# EAGLE board Mk4 Final Panel 6up 3x2 (EAGLE 9.0.1), part 17 of 18
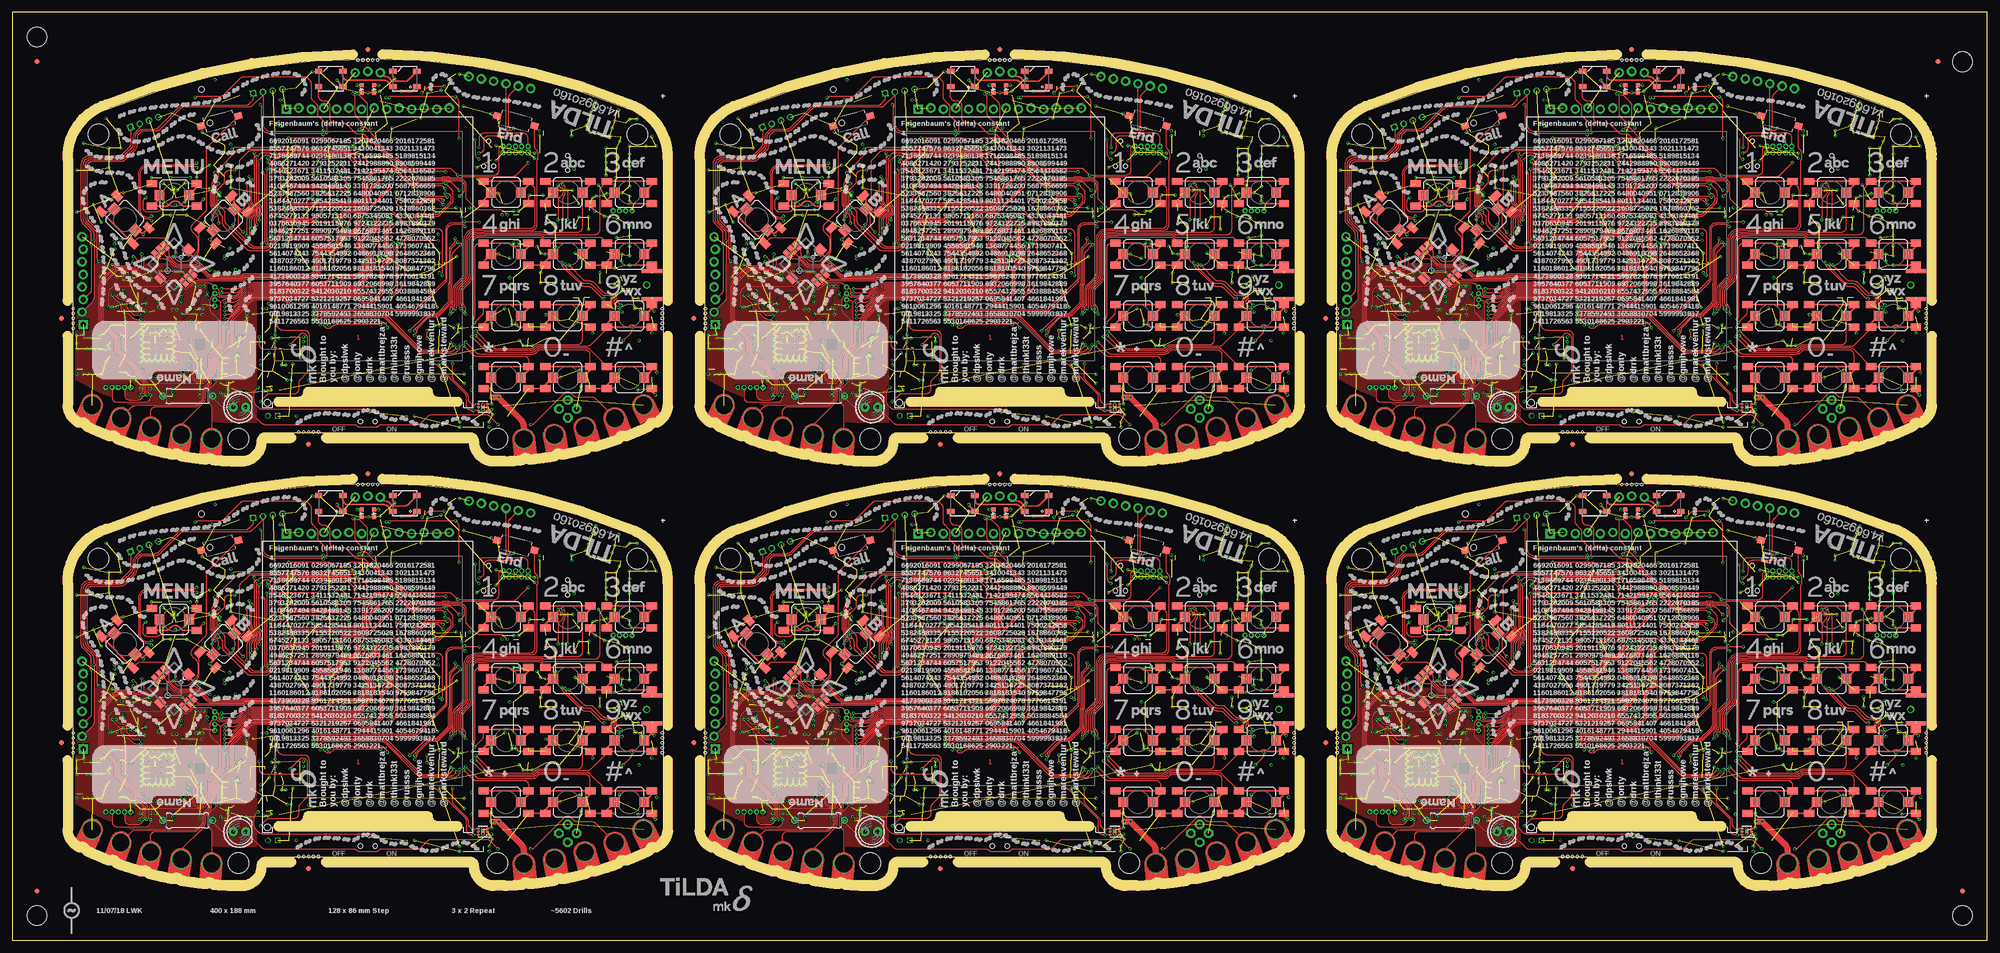
[diagram p0: board, top side]
## Tracks (layer width: path | path; a pad name or v marks a point on that pad's centre or on a via) (continued)
USB_D_P3 (continued)
  Bottom 0.25: 217.5,171.65 219.1,171.65 219.2,171.55 219.4,171.55 arc-90 221.2,169.75 221.2,168 arc-90 219.5,166.3 217.5,166.3 arc90 216.05,164.85 216.05,163 arc-90 214.65,161.6 206.8,161.6 arc90 205.4,160.2 IC56.94 | U10.D+ 210.2,172.4 210,172.2 210,171.69 arc45 210.29,170.99 arc45 211,170.7 212.9,170.7 arc45 213.61,170.99 213.82,171.21 arc-45 214.53,171.5 IC59.2
USB_D_P4
  Bottom 0.2: IC77.2 345.35,85.5 345.5,85.65
  Bottom 0.25: 345.5,85.65 347.1,85.65 347.2,85.55 347.4,85.55 arc-90 349.2,83.75 349.2,82 arc-90 347.5,80.3 345.5,80.3 arc90 344.05,78.85 344.05,77 arc-90 342.65,75.6 334.8,75.6 arc90 333.4,74.2 IC74.94 | U13.D+ 338.2,86.4 338,86.2 338,85.69 arc45 338.29,84.99 arc45 339,84.7 340.9,84.7 arc45 341.61,84.99 341.82,85.21 arc-45 342.53,85.5 IC77.2
USB_D_P6
  Bottom 0.2: IC113.2 345.35,171.5 345.5,171.65
  Bottom 0.25: 345.5,171.65 347.1,171.65 347.2,171.55 347.4,171.55 arc-90 349.2,169.75 349.2,168 arc-90 347.5,166.3 345.5,166.3 arc90 344.05,164.85 344.05,163 arc-90 342.65,161.6 334.8,161.6 arc90 333.4,160.2 IC110.94 | U19.D+ 338.2,172.4 338,172.2 338,171.69 arc45 338.29,170.99 arc45 339,170.7 340.9,170.7 arc45 341.61,170.99 341.82,171.21 arc-45 342.53,171.5 IC113.2
USB_ID
  Bottom 0.15: TP6.TP 90.46,87.54 arc-45 90.75,86.84 R8.2
USB_ID1
  Bottom 0.15: TP25.TP 218.46,87.54 arc-45 218.75,86.84 R92.2
USB_ID2
  Bottom 0.15: TP44.TP 90.46,173.54 arc-45 90.75,172.84 R170.2
USB_ID3
  Bottom 0.15: TP63.TP 218.46,173.54 arc-45 218.75,172.84 R248.2
USB_ID4
  Bottom 0.15: TP82.TP 346.46,87.54 arc-45 346.75,86.84 R326.2
USB_ID6
  Bottom 0.15: TP120.TP 346.46,173.54 arc-45 346.75,172.84 R482.2
USB_ID_R  (via drill 0.3)
  Top 0.15: v83,85.7 84.01,86.71 arc-45 84.71,87 v87.5,87
  Bottom 0.15: v87.5,87 87.65,87 88.65,86 IC7.4 89.42,86.5 R8.1 | U1.ID 82.85,85.85 v83,85.7
USB_ID_R1  (via drill 0.3)
  Top 0.15: v211,85.7 212.01,86.71 arc-45 212.71,87 v215.5,87
  Bottom 0.15: v215.5,87 215.65,87 216.65,86 IC23.4 217.43,86.5 R92.1 | U2.ID 210.85,85.85 v211,85.7
USB_ID_R2  (via drill 0.3)
  Top 0.15: v83,171.7 84.01,172.71 arc-45 84.71,173 v87.5,173
  Bottom 0.15: v87.5,173 87.65,173 88.65,172 IC41.4 89.42,172.5 R170.1 | U7.ID 82.85,171.85 v83,171.7
USB_ID_R3  (via drill 0.3)
  Top 0.15: v211,171.7 212.01,172.71 arc-45 212.71,173 v215.5,173
  Bottom 0.15: v215.5,173 215.65,173 216.65,172 IC59.4 217.43,172.5 R248.1 | U10.ID 210.85,171.85 v211,171.7
USB_ID_R4  (via drill 0.3)
  Top 0.15: v339,85.7 340.01,86.71 arc-45 340.71,87 v343.5,87
  Bottom 0.15: v343.5,87 343.65,87 344.65,86 IC77.4 345.43,86.5 R326.1 | U13.ID 338.85,85.85 v339,85.7
USB_ID_R6  (via drill 0.3)
  Top 0.15: v339,171.7 340.01,172.71 arc-45 340.71,173 v343.5,173
  Bottom 0.15: v343.5,173 343.65,173 344.65,172 IC113.4 345.43,172.5 R482.1 | U19.ID 338.85,171.85 v339,171.7
USB_SHIELD
  Bottom 0.3: U1.SHIELD@5 86.1,87.91 arc45 86.39,88.61 U1.SHIELD@2 | U1.SHIELD@2 83.84,89.72 U1.SHIELD@1 81.59,89.91 81.41,90.09 U1.SHIELD@0 80.96,90.28 U1.SHIELD@3 79.12,89.57 U1.SHIELD | R7.1 88.62,90.5 C20.2 87.04,90.38 U1.SHIELD@2
USB_SHIELD1
  Bottom 0.3: U2.SHIELD@5 214.1,87.91 arc45 214.39,88.61 U2.SHIELD@2 | U2.SHIELD@2 211.84,89.72 U2.SHIELD@1 209.59,89.91 209.41,90.09 U2.SHIELD@0 208.96,90.28 U2.SHIELD@3 207.12,89.57 U2.SHIELD | R91.1 216.62,90.5 C130.2 215.04,90.38 U2.SHIELD@2
USB_SHIELD2
  Bottom 0.3: U7.SHIELD@5 86.1,173.91 arc45 86.39,174.61 U7.SHIELD@2 | U7.SHIELD@2 83.84,175.72 U7.SHIELD@1 81.59,175.91 81.41,176.09 U7.SHIELD@0 80.96,176.28 U7.SHIELD@3 79.12,175.57 U7.SHIELD | R169.1 88.62,176.5 C238.2 87.04,176.38 U7.SHIELD@2
USB_SHIELD3
  Bottom 0.3: U10.SHIELD@5 214.1,173.91 arc45 214.39,174.61 U10.SHIELD@2 | U10.SHIELD@2 211.84,175.72 U10.SHIELD@1 209.59,175.91 209.41,176.09 U10.SHIELD@0 208.96,176.28 U10.SHIELD@3 207.12,175.57 U10.SHIELD | R247.1 216.62,176.5 C346.2 215.04,176.38 U10.SHIELD@2
USB_SHIELD4
  Bottom 0.3: U13.SHIELD@5 342.1,87.91 arc45 342.39,88.61 U13.SHIELD@2 | U13.SHIELD@2 339.84,89.72 U13.SHIELD@1 337.59,89.91 337.41,90.09 U13.SHIELD@0 336.96,90.28 U13.SHIELD@3 335.12,89.57 U13.SHIELD | R325.1 344.62,90.5 C454.2 343.04,90.38 U13.SHIELD@2
USB_SHIELD6
  Bottom 0.3: U19.SHIELD@5 342.1,173.91 arc45 342.39,174.61 U19.SHIELD@2 | U19.SHIELD@2 339.84,175.72 U19.SHIELD@1 337.59,175.91 337.41,176.09 U19.SHIELD@0 336.96,176.28 U19.SHIELD@3 335.12,175.57 U19.SHIELD | R481.1 344.62,176.5 C670.2 343.04,176.38 U19.SHIELD@2
V_UNREG  (via drill 0.3)  (10 unrouted)
  Top 0.2: v60,27.45 v60,27.44 60.08,27.52 60.08,36.6 arc90 59.08,37.6 54.75,37.6 arc-90 53.75,38.6 53.75,40.74 arc45 53.46,41.44 v51.95,42.95
  Top 1.25: 103.62,17.38 103.62,18.05 arc45 103.03,19.47 v98.5,24 v97.25,24
  Top 1.5: PCB.VBATT 103.62,17.38
  3V3@2 1.25: v55.7,27.5 v56.5,27.5 56.55,27.45 v60,27.45 85,27.45 87.25,25.2 91.55,25.2 92.75,24 v97.25,24 v98.5,24
  Bottom 0.2: 53.5,33.45 IC8.15 53.5,33 | IC8.16 53,33 | R18.2 arc90 53.05,43.2 52.55,43.2 arc45 v51.95,42.95
  Bottom 0.4: TP18.TP v56.5,27.5
  pour Bottom (no thermals): 47.5,31 47.5,30 arc90 48,29.5 49,29.5 arc-90 49.5,29 49.5,27.5 53,27.5 53.35,27.15 arc45 53.71,27 56.5,27 arc90 57,27.5 arc90 56.5,28 54.12,28 arc-48 53.75,28.17 53.13,28.86 arc-42 53,29.19 53,29.29 arc-45 53.15,29.65 53.4,29.9 arc45 53.55,30.26 53.55,33.45 53.5,33.5 53,33.5 52.7,33.2 52.7,30.45 52.15,29.9 arc-45 51.79,29.75 50.21,29.75 arc-45 49.85,29.9 49.5,30.25 49.5,31
V_UNREG1  (via drill 0.3)  (10 unrouted)
  Top 0.2: v188,27.45 v188,27.44 188.07,27.52 188.07,36.6 arc90 187.07,37.6 182.75,37.6 arc-90 181.75,38.6 181.75,40.74 arc45 181.46,41.44 v179.95,42.95
  Top 1.25: 231.62,17.38 231.62,18.05 arc45 231.03,19.47 v226.5,24 v225.25,24
  Top 1.5: PCB1.VBATT 231.62,17.38
  3V3@2 1.25: v183.7,27.5 v184.5,27.5 184.55,27.45 v188,27.45 213,27.45 215.25,25.2 219.55,25.2 220.75,24 v225.25,24 v226.5,24
  Bottom 0.2: 181.5,33.45 IC24.15 181.5,33 | IC24.16 181,33 | R100.2 arc90 181.05,43.2 180.55,43.2 arc45 v179.95,42.95
  Bottom 0.4: TP37.TP v184.5,27.5
  pour Bottom (no thermals): 175.5,31 175.5,30 arc90 176,29.5 177,29.5 arc-90 177.5,29 177.5,27.5 181,27.5 181.35,27.15 arc45 181.71,27 184.5,27 arc90 185,27.5 arc90 184.5,28 182.12,28 arc-48 181.75,28.17 181.13,28.86 arc-42 181,29.19 181,29.29 arc-45 181.15,29.65 181.4,29.9 arc45 181.55,30.26 181.55,33.45 181.5,33.5 181,33.5 180.7,33.2 180.7,30.45 180.15,29.9 arc-45 179.79,29.75 178.21,29.75 arc-45 177.85,29.9 177.5,30.25 177.5,31
V_UNREG2  (via drill 0.3)  (10 unrouted)
  Top 0.2: v60,113.45 v60,113.44 60.08,113.52 60.08,122.6 arc90 59.08,123.6 54.75,123.6 arc-90 53.75,124.6 53.75,126.74 arc45 53.46,127.44 v51.95,128.95
  Top 1.25: 103.62,103.38 103.62,104.06 arc45 103.03,105.47 v98.5,110 v97.25,110
  Top 1.5: PCB2.VBATT 103.62,103.38
  3V3@2 1.25: v55.7,113.5 v56.5,113.5 56.55,113.45 v60,113.45 85,113.45 87.25,111.2 91.55,111.2 92.75,110 v97.25,110 v98.5,110
  Bottom 0.2: 53.5,119.45 IC42.15 53.5,119 | IC42.16 53,119 | R178.2 arc90 53.05,129.2 52.55,129.2 arc45 v51.95,128.95
  Bottom 0.4: TP56.TP v56.5,113.5
  pour Bottom (no thermals): 47.5,117 47.5,116 arc90 48,115.5 49,115.5 arc-90 49.5,115 49.5,113.5 53,113.5 53.35,113.15 arc45 53.71,113 56.5,113 arc90 57,113.5 arc90 56.5,114 54.12,114 arc-48 53.75,114.17 53.13,114.86 arc-42 53,115.19 53,115.29 arc-45 53.15,115.65 53.4,115.9 arc45 53.55,116.26 53.55,119.45 53.5,119.5 53,119.5 52.7,119.2 52.7,116.45 52.15,115.9 arc-45 51.79,115.75 50.21,115.75 arc-45 49.85,115.9 49.5,116.25 49.5,117
V_UNREG3  (via drill 0.3)  (10 unrouted)
  Top 0.2: v188,113.45 v188,113.44 188.07,113.52 188.07,122.6 arc90 187.07,123.6 182.75,123.6 arc-90 181.75,124.6 181.75,126.74 arc45 181.46,127.44 v179.95,128.95
  Top 1.25: 231.62,103.38 231.62,104.06 arc45 231.03,105.47 v226.5,110 v225.25,110
  Top 1.5: PCB3.VBATT 231.62,103.38
  3V3@2 1.25: v183.7,113.5 v184.5,113.5 184.55,113.45 v188,113.45 213,113.45 215.25,111.2 219.55,111.2 220.75,110 v225.25,110 v226.5,110
  Bottom 0.2: 181.5,119.45 IC60.15 181.5,119 | IC60.16 181,119 | R256.2 arc90 181.05,129.2 180.55,129.2 arc45 v179.95,128.95
  Bottom 0.4: TP75.TP v184.5,113.5
  pour Bottom (no thermals): 175.5,117 175.5,116 arc90 176,115.5 177,115.5 arc-90 177.5,115 177.5,113.5 181,113.5 181.35,113.15 arc45 181.71,113 184.5,113 arc90 185,113.5 arc90 184.5,114 182.12,114 arc-48 181.75,114.17 181.13,114.86 arc-42 181,115.19 181,115.29 arc-45 181.15,115.65 181.4,115.9 arc45 181.55,116.26 181.55,119.45 181.5,119.5 181,119.5 180.7,119.2 180.7,116.45 180.15,115.9 arc-45 179.79,115.75 178.21,115.75 arc-45 177.85,115.9 177.5,116.25 177.5,117
V_UNREG4  (via drill 0.3)  (10 unrouted)
  Top 0.2: v316,27.45 v316,27.44 316.07,27.52 316.07,36.6 arc90 315.07,37.6 310.75,37.6 arc-90 309.75,38.6 309.75,40.74 arc45 309.46,41.44 v307.95,42.95
  Top 1.25: 359.62,17.38 359.62,18.05 arc45 359.03,19.47 v354.5,24 v353.25,24
  Top 1.5: PCB4.VBATT 359.62,17.38
  3V3@2 1.25: v311.7,27.5 v312.5,27.5 312.55,27.45 v316,27.45 341,27.45 343.25,25.2 347.55,25.2 348.75,24 v353.25,24 v354.5,24
  Bottom 0.2: 309.5,33.45 IC78.15 309.5,33 | IC78.16 309,33 | R334.2 arc90 309.05,43.2 308.55,43.2 arc45 v307.95,42.95
  Bottom 0.4: TP94.TP v312.5,27.5
  pour Bottom (no thermals): 303.5,31 303.5,30 arc90 304,29.5 305,29.5 arc-90 305.5,29 305.5,27.5 309,27.5 309.35,27.15 arc45 309.71,27 312.5,27 arc90 313,27.5 arc90 312.5,28 310.12,28 arc-48 309.75,28.17 309.13,28.86 arc-42 309,29.19 309,29.29 arc-45 309.15,29.65 309.4,29.9 arc45 309.55,30.26 309.55,33.45 309.5,33.5 309,33.5 308.7,33.2 308.7,30.45 308.15,29.9 arc-45 307.79,29.75 306.21,29.75 arc-45 305.85,29.9 305.5,30.25 305.5,31
V_UNREG6  (via drill 0.3)  (10 unrouted)
  Top 0.2: v316,113.45 v316,113.44 316.07,113.52 316.07,122.6 arc90 315.07,123.6 310.75,123.6 arc-90 309.75,124.6 309.75,126.74 arc45 309.46,127.44 v307.95,128.95
  Top 1.25: 359.62,103.38 359.62,104.06 arc45 359.03,105.47 v354.5,110 v353.25,110
  Top 1.5: PCB6.VBATT 359.62,103.38
  3V3@2 1.25: v311.7,113.5 v312.5,113.5 312.55,113.45 v316,113.45 341,113.45 343.25,111.2 347.55,111.2 348.75,110 v353.25,110 v354.5,110
  Bottom 0.2: 309.5,119.45 IC114.15 309.5,119 | IC114.16 309,119 | R490.2 arc90 309.05,129.2 308.55,129.2 arc45 v307.95,128.95
  Bottom 0.4: TP132.TP v312.5,113.5
  pour Bottom (no thermals): 303.5,117 303.5,116 arc90 304,115.5 305,115.5 arc-90 305.5,115 305.5,113.5 309,113.5 309.35,113.15 arc45 309.71,113 312.5,113 arc90 313,113.5 arc90 312.5,114 310.12,114 arc-48 309.75,114.17 309.13,114.86 arc-42 309,115.19 309,115.29 arc-45 309.15,115.65 309.4,115.9 arc45 309.55,116.26 309.55,119.45 309.5,119.5 309,119.5 308.7,119.2 308.7,116.45 308.15,115.9 arc-45 307.79,115.75 306.21,115.75 arc-45 305.85,115.9 305.5,116.25 305.5,117
VBAT  (via drill 0.3)  (5 unrouted)
  Bottom 0.15: IC8.14 54,33.35 | 54.8,32 C35.1 | IC8.13 54.5,33.35
  Bottom 0.4: TP14.TP 55.64,29.36 arc-45 55.35,30.06 v55.35,30.5
  Bottom 1: J5.2 93.15,28.8 C34.1 | C34.1 91.6,28.65 v91.5,28.75 | C34.1 v93,30
  other vias: 54.6,30.5
  pour Bottom (no thermals): 54,33.55 54,30.2 54.2,30 55.5,30 55.75,30.3 55.75,30.75 55.25,31.25 55.25,32.9 54.6,33.55
  pour 3V3@2 (no thermals): 92.5,28 55.6,28 54.35,29.25 54.35,30.55 54.6,30.8 55.4,30.8 56.1,30 91,30 91.5,30.5 93,30.5 93.5,30 93.5,29
VBAT1  (via drill 0.3)  (5 unrouted)
  Bottom 0.15: IC24.14 182,33.35 | 182.8,32 C147.1 | IC24.13 182.5,33.35
  Bottom 0.4: TP33.TP 183.64,29.36 arc-45 183.35,30.06 v183.35,30.5
  Bottom 1: J12.2 221.15,28.8 C146.1 | C146.1 219.6,28.65 v219.5,28.75 | C146.1 v221,30
  other vias: 182.6,30.5
  pour Bottom (no thermals): 182,33.55 182,30.2 182.2,30 183.5,30 183.75,30.3 183.75,30.75 183.25,31.25 183.25,32.9 182.6,33.55
  pour 3V3@2 (no thermals): 220.5,28 183.6,28 182.35,29.25 182.35,30.55 182.6,30.8 183.4,30.8 184.1,30 219,30 219.5,30.5 221,30.5 221.5,30 221.5,29
VBAT2  (via drill 0.3)  (5 unrouted)
  Bottom 0.15: IC42.14 54,119.35 | 54.8,118 C255.1 | IC42.13 54.5,119.35
  Bottom 0.4: TP52.TP 55.64,115.36 arc-45 55.35,116.06 v55.35,116.5
  Bottom 1: J22.2 93.15,114.8 C254.1 | C254.1 91.6,114.65 v91.5,114.75 | C254.1 v93,116
  other vias: 54.6,116.5
  pour Bottom (no thermals): 54,119.55 54,116.2 54.2,116 55.5,116 55.75,116.3 55.75,116.75 55.25,117.25 55.25,118.9 54.6,119.55
  pour 3V3@2 (no thermals): 92.5,114 55.6,114 54.35,115.25 54.35,116.55 54.6,116.8 55.4,116.8 56.1,116 91,116 91.5,116.5 93,116.5 93.5,116 93.5,115
VBAT3  (via drill 0.3)  (5 unrouted)
  Bottom 0.15: IC60.14 182,119.35 | 182.8,118 C363.1 | IC60.13 182.5,119.35
  Bottom 0.4: TP71.TP 183.64,115.36 arc-45 183.35,116.06 v183.35,116.5
  Bottom 1: J32.2 221.15,114.8 C362.1 | C362.1 219.6,114.65 v219.5,114.75 | C362.1 v221,116
  other vias: 182.6,116.5
  pour Bottom (no thermals): 182,119.55 182,116.2 182.2,116 183.5,116 183.75,116.3 183.75,116.75 183.25,117.25 183.25,118.9 182.6,119.55
  pour 3V3@2 (no thermals): 220.5,114 183.6,114 182.35,115.25 182.35,116.55 182.6,116.8 183.4,116.8 184.1,116 219,116 219.5,116.5 221,116.5 221.5,116 221.5,115
VBAT4  (via drill 0.3)  (5 unrouted)
  Bottom 0.15: IC78.14 310,33.35 | 310.8,32 C471.1 | IC78.13 310.5,33.35
  Bottom 0.4: TP90.TP 311.64,29.36 arc-45 311.35,30.06 v311.35,30.5
  Bottom 1: J42.2 349.15,28.8 C470.1 | C470.1 347.6,28.65 v347.5,28.75 | C470.1 v349,30
  other vias: 310.6,30.5
  pour Bottom (no thermals): 310,33.55 310,30.2 310.2,30 311.5,30 311.75,30.3 311.75,30.75 311.25,31.25 311.25,32.9 310.6,33.55
  pour 3V3@2 (no thermals): 348.5,28 311.6,28 310.35,29.25 310.35,30.55 310.6,30.8 311.4,30.8 312.1,30 347,30 347.5,30.5 349,30.5 349.5,30 349.5,29
VBAT6  (via drill 0.3)  (5 unrouted)
  Bottom 0.15: IC114.14 310,119.35 | 310.8,118 C687.1 | IC114.13 310.5,119.35
  Bottom 0.4: TP128.TP 311.64,115.36 arc-45 311.35,116.06 v311.35,116.5
  Bottom 1: J62.2 349.15,114.8 C686.1 | C686.1 347.6,114.65 v347.5,114.75 | C686.1 v349,116
  other vias: 310.6,116.5
  pour Bottom (no thermals): 310,119.55 310,116.2 310.2,116 311.5,116 311.75,116.3 311.75,116.75 311.25,117.25 311.25,118.9 310.6,119.55
  pour 3V3@2 (no thermals): 348.5,114 311.6,114 310.35,115.25 310.35,116.55 310.6,116.8 311.4,116.8 312.1,116 347,116 347.5,116.5 349,116.5 349.5,116 349.5,115
VBATT  (via drill 0.3)  (19 unrouted)
  Top 0.15: v42.2,25 arc45 42.68,24.8 46.3,24.8 v46.5,25
  Top 0.5: LED2.1 81.34,86.29 arc-45 80.64,86 v78.75,86 | LED1.1 65.75,88.1 v65.75,88.25
  3V3@2 0.5: 71.25,88.25 76.5,88.25 v78.75,86
  3V3@2 1: JP2.2 72,89 71.25,88.25 v65.75,88.25 47.5,88.25 44.5,85.25 44.5,78 43,76.5 v43,52.65 v43,52.05 | v47.25,25 v46.5,25 46.5,30.41 47.2,31.11 47.2,32.55 44.62,35.12 44.62,36.62 45.5,37.5 v45.5,49.3 45.5,49.5 v45.15,49.85
  Bottom 0.25: IC9.1 42.96,25.35 arc45 42.26,25.06 v42.2,25
  Bottom 0.4: TP15.TP v52.4,25.5
  Bottom 0.5: C1.1 66.62,88.25 v65.75,88.25
  Bottom 1: v43,52.65 v43,52.05 43,52 v45.15,49.85 45.5,49.5 v45.5,49.3
  other vias: 51.75,25.25 51,25.25 105.25,34.5 102.75,35.5 104.25,34.5 103.5,34.5
  pour Bottom (no thermals): 51.35,26.4 52.8,26.4 52.8,25.05 arc-90 52.3,24.55 46.65,24.55 46.65,25.5 50.85,25.5 arc90 51.35,26
  pour Bottom (no thermals): 105.09,34.25 103.25,34.25 arc-90 102.25,35.25 102.25,36 arc-90 103.25,37 113,37 arc90 114,38 114,41.25 arc-90 115,42.25 115.25,42.25 115.5,42.5 115.5,45 117,45 117,42.8 arc-90 116,41.8 115.75,41.8 arc90 114.75,40.8 114.75,36 arc-90 113.75,35 106.66,35 arc45 105.96,34.71 105.79,34.54 arc-45
  pour 3V3@2 (no thermals): 104,37.5 106.5,37.5 107.5,36.5 107.5,35 107,34.5 97.5,34.5 95.5,32.5 54,32.5 52.8,31.4 52.8,25.6 52.3,25 51,25 50.75,25.25 50.75,32.5 52.25,34 94,34 96.5,36.5 103,36.5
  pour Bottom (no thermals): 44.2,25.9 44.2,25.8 44.75,25.8 45.1,25.45 45.1,25.05 arc90 45.6,24.55 46.8,24.55 46.8,25.5 46.15,25.5 45.8,25.85 45,25.85 44.95,25.9
VBATT1  (via drill 0.3)  (19 unrouted)
  Top 0.15: v170.2,25 arc45 170.68,24.8 174.3,24.8 v174.5,25
  Top 0.5: LED8.1 209.34,86.29 arc-45 208.64,86 v206.75,86 | LED7.1 193.75,88.1 v193.75,88.25
  3V3@2 0.5: 199.25,88.25 204.5,88.25 v206.75,86
  3V3@2 1: JP11.2 200,89 199.25,88.25 v193.75,88.25 175.5,88.25 172.5,85.25 172.5,78 171,76.5 v171,52.65 v171,52.05 | v175.25,25 v174.5,25 174.5,30.41 175.2,31.11 175.2,32.55 172.62,35.12 172.62,36.62 173.5,37.5 v173.5,49.3 173.5,49.5 v173.15,49.85
  Bottom 0.25: IC33.1 170.96,25.35 arc45 170.26,25.06 v170.2,25
  Bottom 0.4: TP34.TP v180.4,25.5
  Bottom 0.5: C111.1 194.62,88.25 v193.75,88.25
  Bottom 1: v171,52.65 v171,52.05 171,52 v173.15,49.85 173.5,49.5 v173.5,49.3
  other vias: 179.75,25.25 179,25.25 233.25,34.5 230.75,35.5 232.25,34.5 231.5,34.5
  pour Bottom (no thermals): 179.35,26.4 180.8,26.4 180.8,25.05 arc-90 180.3,24.55 174.65,24.55 174.65,25.5 178.85,25.5 arc90 179.35,26
  pour Bottom (no thermals): 233.09,34.25 231.25,34.25 arc-90 230.25,35.25 230.25,36 arc-90 231.25,37 241,37 arc90 242,38 242,41.25 arc-90 243,42.25 243.25,42.25 243.5,42.5 243.5,45 245,45 245,42.8 arc-90 244,41.8 243.75,41.8 arc90 242.75,40.8 242.75,36 arc-90 241.75,35 234.66,35 arc45 233.96,34.71 233.79,34.54 arc-45
  pour 3V3@2 (no thermals): 232,37.5 234.5,37.5 235.5,36.5 235.5,35 235,34.5 225.5,34.5 223.5,32.5 182,32.5 180.8,31.4 180.8,25.6 180.3,25 179,25 178.75,25.25 178.75,32.5 180.25,34 222,34 224.5,36.5 231,36.5
  pour Bottom (no thermals): 172.2,25.9 172.2,25.8 172.75,25.8 173.1,25.45 173.1,25.05 arc90 173.6,24.55 174.8,24.55 174.8,25.5 174.15,25.5 173.8,25.85 173,25.85 172.95,25.9
VBATT2  (via drill 0.3)  (19 unrouted)
  Top 0.15: v42.2,111 arc45 42.68,110.8 46.3,110.8 v46.5,111
  Top 0.5: LED14.1 81.34,172.29 arc-45 80.64,172 v78.75,172 | LED13.1 65.75,174.1 v65.75,174.25
  3V3@2 0.5: 71.25,174.25 76.5,174.25 v78.75,172
  3V3@2 1: JP20.2 72,175 71.25,174.25 v65.75,174.25 47.5,174.25 44.5,171.25 44.5,164 43,162.5 v43,138.65 v43,138.05 | v47.25,111 v46.5,111 46.5,116.41 47.2,117.11 47.2,118.55 44.62,121.12 44.62,122.62 45.5,123.5 v45.5,135.3 45.5,135.5 v45.15,135.85
  Bottom 0.25: IC51.1 42.96,111.35 arc45 42.26,111.06 v42.2,111
  Bottom 0.4: TP53.TP v52.4,111.5
  Bottom 0.5: C219.1 66.62,174.25 v65.75,174.25
  Bottom 1: v43,138.65 v43,138.05 43,138 v45.15,135.85 45.5,135.5 v45.5,135.3
  other vias: 51.75,111.25 51,111.25 105.25,120.5 102.75,121.5 104.25,120.5 103.5,120.5
  pour Bottom (no thermals): 51.35,112.4 52.8,112.4 52.8,111.05 arc-90 52.3,110.55 46.65,110.55 46.65,111.5 50.85,111.5 arc90 51.35,112
  pour Bottom (no thermals): 105.09,120.25 103.25,120.25 arc-90 102.25,121.25 102.25,122 arc-90 103.25,123 113,123 arc90 114,124 114,127.25 arc-90 115,128.25 115.25,128.25 115.5,128.5 115.5,131 117,131 117,128.8 arc-90 116,127.8 115.75,127.8 arc90 114.75,126.8 114.75,122 arc-90 113.75,121 106.66,121 arc45 105.96,120.71 105.79,120.54 arc-45
  pour 3V3@2 (no thermals): 104,123.5 106.5,123.5 107.5,122.5 107.5,121 107,120.5 97.5,120.5 95.5,118.5 54,118.5 52.8,117.4 52.8,111.6 52.3,111 51,111 50.75,111.25 50.75,118.5 52.25,120 94,120 96.5,122.5 103,122.5
  pour Bottom (no thermals): 44.2,111.9 44.2,111.8 44.75,111.8 45.1,111.45 45.1,111.05 arc90 45.6,110.55 46.8,110.55 46.8,111.5 46.15,111.5 45.8,111.85 45,111.85 44.95,111.9
VBATT3  (via drill 0.3)  (19 unrouted)
  Top 0.15: v170.2,111 arc45 170.68,110.8 174.3,110.8 v174.5,111
  Top 0.5: LED20.1 209.34,172.29 arc-45 208.64,172 v206.75,172 | LED19.1 193.75,174.1 v193.75,174.25
  3V3@2 0.5: 199.25,174.25 204.5,174.25 v206.75,172
  3V3@2 1: JP29.2 200,175 199.25,174.25 v193.75,174.25 175.5,174.25 172.5,171.25 172.5,164 171,162.5 v171,138.65 v171,138.05 | v175.25,111 v174.5,111 174.5,116.41 175.2,117.11 175.2,118.55 172.62,121.12 172.62,122.62 173.5,123.5 v173.5,135.3 173.5,135.5 v173.15,135.85
  Bottom 0.25: IC69.1 170.96,111.35 arc45 170.26,111.06 v170.2,111
  Bottom 0.4: TP72.TP v180.4,111.5
  Bottom 0.5: C327.1 194.62,174.25 v193.75,174.25
  Bottom 1: v171,138.65 v171,138.05 171,138 v173.15,135.85 173.5,135.5 v173.5,135.3
  other vias: 179.75,111.25 179,111.25 233.25,120.5 230.75,121.5 232.25,120.5 231.5,120.5
  pour Bottom (no thermals): 179.35,112.4 180.8,112.4 180.8,111.05 arc-90 180.3,110.55 174.65,110.55 174.65,111.5 178.85,111.5 arc90 179.35,112
  pour Bottom (no thermals): 233.09,120.25 231.25,120.25 arc-90 230.25,121.25 230.25,122 arc-90 231.25,123 241,123 arc90 242,124 242,127.25 arc-90 243,128.25 243.25,128.25 243.5,128.5 243.5,131 245,131 245,128.8 arc-90 244,127.8 243.75,127.8 arc90 242.75,126.8 242.75,122 arc-90 241.75,121 234.66,121 arc45 233.96,120.71 233.79,120.54 arc-45
  pour 3V3@2 (no thermals): 232,123.5 234.5,123.5 235.5,122.5 235.5,121 235,120.5 225.5,120.5 223.5,118.5 182,118.5 180.8,117.4 180.8,111.6 180.3,111 179,111 178.75,111.25 178.75,118.5 180.25,120 222,120 224.5,122.5 231,122.5
  pour Bottom (no thermals): 172.2,111.9 172.2,111.8 172.75,111.8 173.1,111.45 173.1,111.05 arc90 173.6,110.55 174.8,110.55 174.8,111.5 174.15,111.5 173.8,111.85 173,111.85 172.95,111.9
VBATT4  (via drill 0.3)  (19 unrouted)
  Top 0.15: v298.2,25 arc45 298.68,24.8 302.3,24.8 v302.5,25
  Top 0.5: LED26.1 337.34,86.29 arc-45 336.64,86 v334.75,86 | LED25.1 321.75,88.1 v321.75,88.25
  3V3@2 0.5: 327.25,88.25 332.5,88.25 v334.75,86
  3V3@2 1: JP38.2 328,89 327.25,88.25 v321.75,88.25 303.5,88.25 300.5,85.25 300.5,78 299,76.5 v299,52.65 v299,52.05 | v303.25,25 v302.5,25 302.5,30.41 303.2,31.11 303.2,32.55 300.62,35.12 300.62,36.62 301.5,37.5 v301.5,49.3 301.5,49.5 v301.15,49.85
  Bottom 0.25: IC87.1 298.96,25.35 arc45 298.26,25.06 v298.2,25
  Bottom 0.4: TP91.TP v308.4,25.5
  Bottom 0.5: C435.1 322.62,88.25 v321.75,88.25
  Bottom 1: v299,52.65 v299,52.05 299,52 v301.15,49.85 301.5,49.5 v301.5,49.3
  other vias: 307.75,25.25 307,25.25 361.25,34.5 358.75,35.5 360.25,34.5 359.5,34.5
  pour Bottom (no thermals): 307.35,26.4 308.8,26.4 308.8,25.05 arc-90 308.3,24.55 302.65,24.55 302.65,25.5 306.85,25.5 arc90 307.35,26
  pour Bottom (no thermals): 361.09,34.25 359.25,34.25 arc-90 358.25,35.25 358.25,36 arc-90 359.25,37 369,37 arc90 370,38 370,41.25 arc-90 371,42.25 371.25,42.25 371.5,42.5 371.5,45 373,45 373,42.8 arc-90 372,41.8 371.75,41.8 arc90 370.75,40.8 370.75,36 arc-90 369.75,35 362.66,35 arc45 361.96,34.71 361.79,34.54 arc-45
  pour 3V3@2 (no thermals): 360,37.5 362.5,37.5 363.5,36.5 363.5,35 363,34.5 353.5,34.5 351.5,32.5 310,32.5 308.8,31.4 308.8,25.6 308.3,25 307,25 306.75,25.25 306.75,32.5 308.25,34 350,34 352.5,36.5 359,36.5
  pour Bottom (no thermals): 300.2,25.9 300.2,25.8 300.75,25.8 301.1,25.45 301.1,25.05 arc90 301.6,24.55 302.8,24.55 302.8,25.5 302.15,25.5 301.8,25.85 301,25.85 300.95,25.9
VBATT6  (via drill 0.3)  (19 unrouted)
  Top 0.15: v298.2,111 arc45 298.68,110.8 302.3,110.8 v302.5,111
  Top 0.5: LED38.1 337.34,172.29 arc-45 336.64,172 v334.75,172 | LED37.1 321.75,174.1 v321.75,174.25
  3V3@2 0.5: 327.25,174.25 332.5,174.25 v334.75,172
  3V3@2 1: JP56.2 328,175 327.25,174.25 v321.75,174.25 303.5,174.25 300.5,171.25 300.5,164 299,162.5 v299,138.65 v299,138.05 | v303.25,111 v302.5,111 302.5,116.41 303.2,117.11 303.2,118.55 300.62,121.12 300.62,122.62 301.5,123.5 v301.5,135.3 301.5,135.5 v301.15,135.85
  Bottom 0.25: IC123.1 298.96,111.35 arc45 298.26,111.06 v298.2,111
  Bottom 0.4: TP129.TP v308.4,111.5
  Bottom 0.5: C651.1 322.62,174.25 v321.75,174.25
  Bottom 1: v299,138.65 v299,138.05 299,138 v301.15,135.85 301.5,135.5 v301.5,135.3
  other vias: 307.75,111.25 307,111.25 361.25,120.5 358.75,121.5 360.25,120.5 359.5,120.5
  pour Bottom (no thermals): 307.35,112.4 308.8,112.4 308.8,111.05 arc-90 308.3,110.55 302.65,110.55 302.65,111.5 306.85,111.5 arc90 307.35,112
  pour Bottom (no thermals): 361.09,120.25 359.25,120.25 arc-90 358.25,121.25 358.25,122 arc-90 359.25,123 369,123 arc90 370,124 370,127.25 arc-90 371,128.25 371.25,128.25 371.5,128.5 371.5,131 373,131 373,128.8 arc-90 372,127.8 371.75,127.8 arc90 370.75,126.8 370.75,122 arc-90 369.75,121 362.66,121 arc45 361.96,120.71 361.79,120.54 arc-45
  pour 3V3@2 (no thermals): 360,123.5 362.5,123.5 363.5,122.5 363.5,121 363,120.5 353.5,120.5 351.5,118.5 310,118.5 308.8,117.4 308.8,111.6 308.3,111 307,111 306.75,111.25 306.75,118.5 308.25,120 350,120 352.5,122.5 359,122.5
  pour Bottom (no thermals): 300.2,111.9 300.2,111.8 300.75,111.8 301.1,111.45 301.1,111.05 arc90 301.6,110.55 302.8,110.55 302.8,111.5 302.15,111.5 301.8,111.85 301,111.85 300.95,111.9